# Altium PCB PCB1.PcbDoc (part 1 of 4)
Units mm, origin at the board's own origin, x right, y up, seen from the top; angles counter-clockwise.
Board outline 170.5 x 170.3 mm, 2 copper layers (Top Layer, Bottom Layer); 947 components, 657 nets, 3453 pads, 181 vias.
Unrouted connection lines stored in the file: 2490.
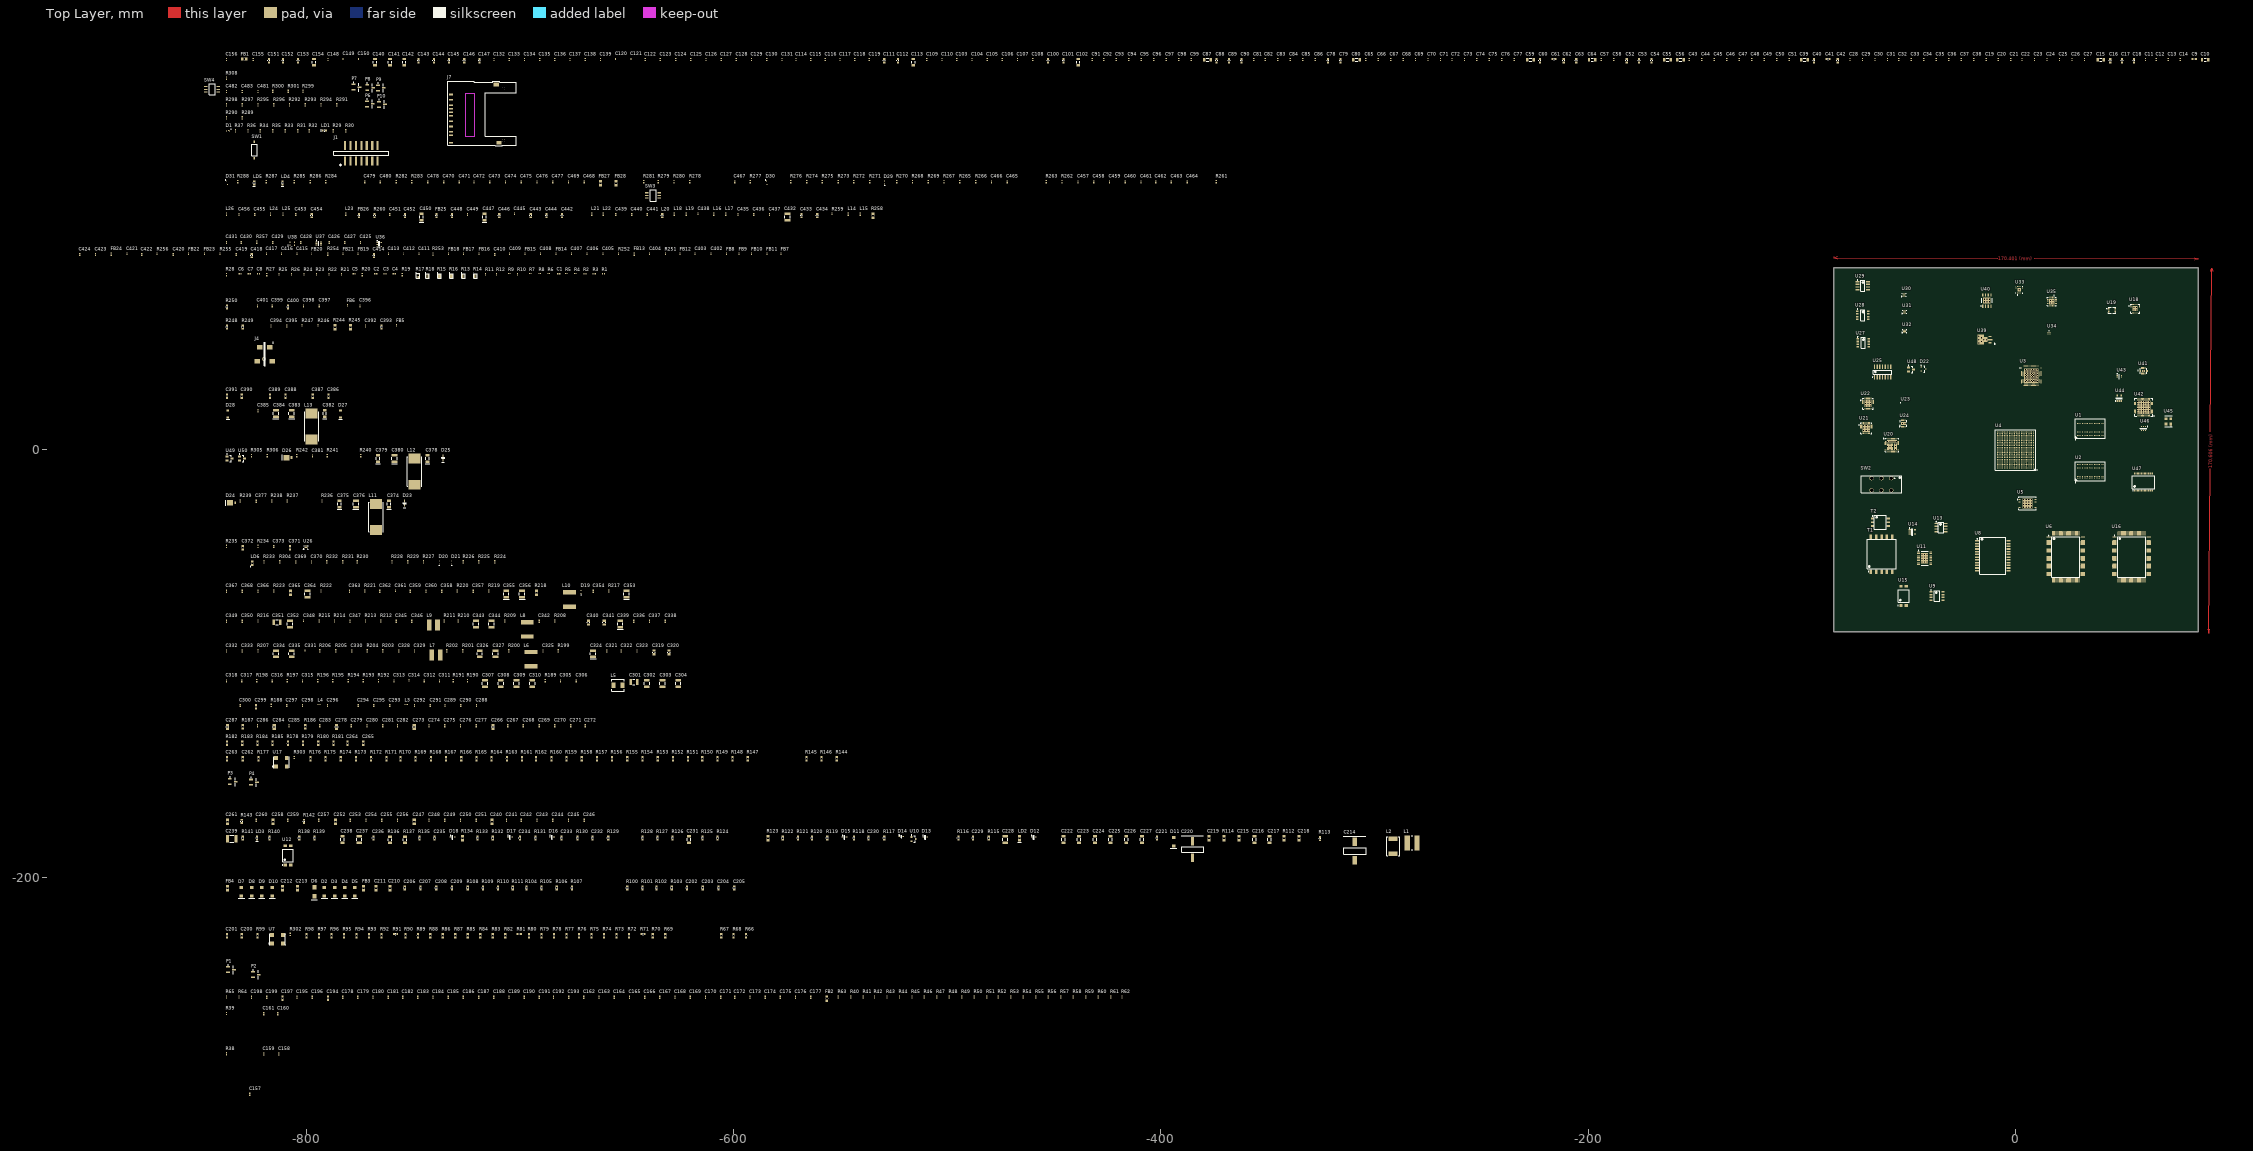
[diagram p0: Top Layer view]
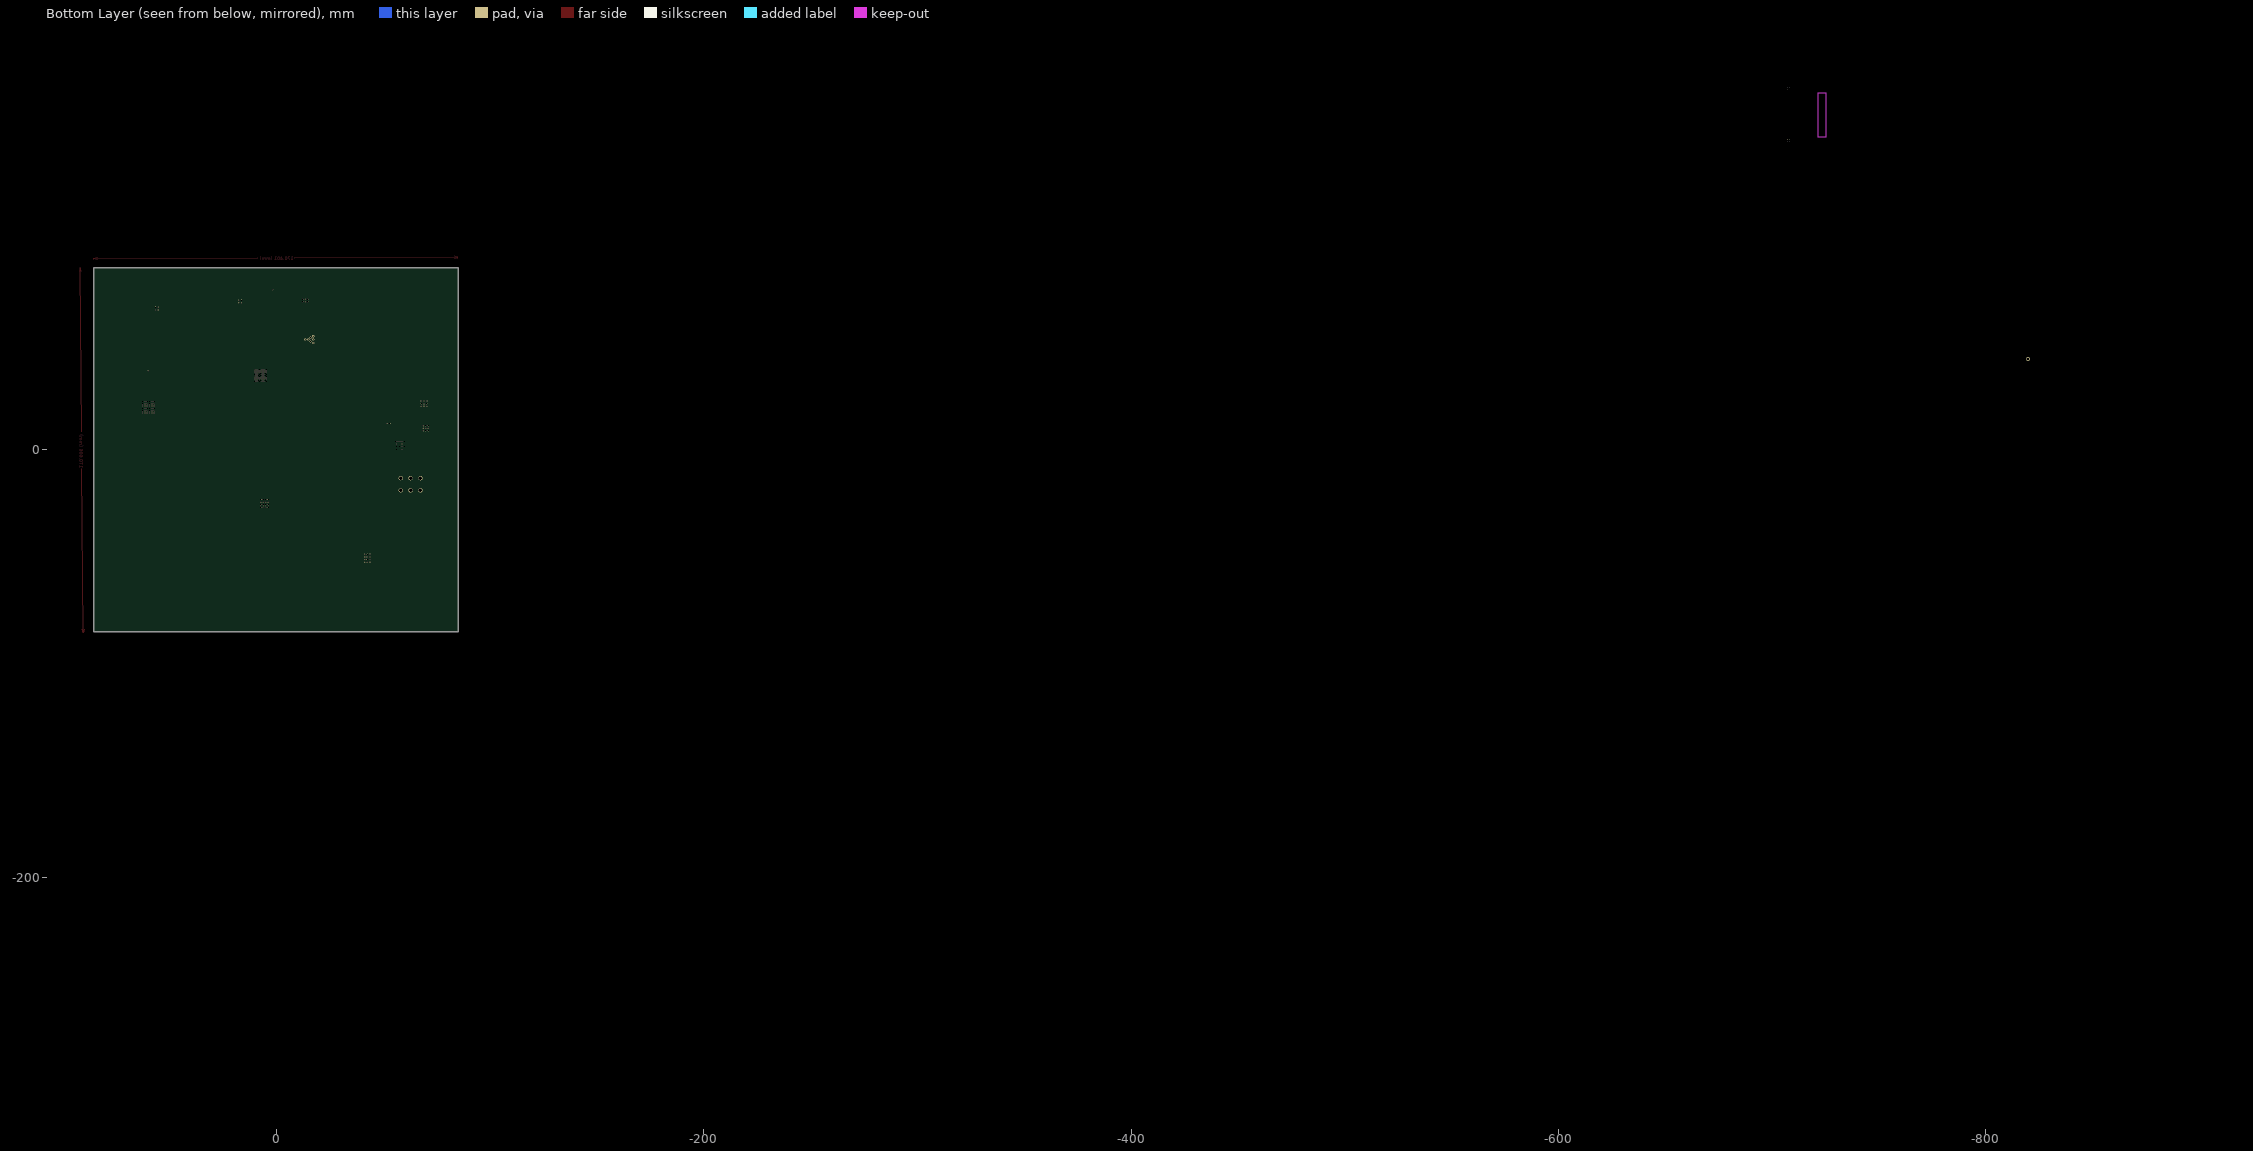
[diagram p1: Bottom Layer view, seen from below]

## Layer stack, top to bottom
Top Layer: signal copper 0.0356
Dielectric: dielectric 0.32, FR-4, Dk 4.8
Bottom Layer: signal copper 0.0356

## Board outline
-84.95,85.325 -84.95,-84.975 85.55,-84.975 85.55,85.225 -84.65,85.225

## Design rules (kind name [scope] priority, off if disabled: settings)
Clearance General_Clearance [All] p1: gap=0.15
DiffPairsRouting [All] p1: maxlimit=0.254 minlimit=0.254 mostfreqgap=0.254 maxuncoupledlength=12.7
HoleSize [All] p1: absolutevalues=TRUE maxlimit=2.54 minlimit=0.25 maxpercent=80.000 minpercent=20.000
HoleToHoleClearance [All] p1: gap=0.3 allowstackedmicrovias=TRUE
MinimumSolderMaskSliver [All] p1: minsoldermaskwidth=0
PolygonConnect [All] p1: connectstyle=Relief reliefconductorwidth=0.254 reliefentries=4 polygonreliefangle="90 Angle" airgapwidth=0.254
RoomDefinition ZYNQ_Power [InComponentClass('ZYNQ_Power')] p1: confinementstyle=ConfineIn formatcopy=TRUE lockcomponents=FALSE outline -838.007,178.94 91.379,178.94 91.379,186.56 -838.007,186.56
RoomDefinition ZYNQ_PL_Bank_35 [InComponentClass('ZYNQ_PL_Bank_35')] p2: confinementstyle=ConfineIn formatcopy=TRUE lockcomponents=FALSE outline -838.007,172.844 -831.53,172.844 -831.53,177.67 -838.007,177.67
RoomDefinition ZYNQ_MIOBank_501 [InComponentClass('ZYNQ_MIOBank_501')] p3: confinementstyle=ConfineIn formatcopy=TRUE lockcomponents=FALSE outline -851.05,165.625 -795.716,165.625 -795.716,172.6 -851.05,172.6
RoomDefinition ZYNQ_MIOBank_500 [InComponentClass('ZYNQ_MIOBank_500')] p4: confinementstyle=ConfineIn formatcopy=TRUE lockcomponents=FALSE outline -838.007,160.398 -780.476,160.398 -780.476,165.224 -838.007,165.224
RoomDefinition ZYNQ_DDR3_Bank_502 [InComponentClass('ZYNQ_DDR3_Bank_502')] p5: confinementstyle=ConfineIn formatcopy=TRUE lockcomponents=FALSE outline -838.007,154.302 -824.164,154.302 -824.164,159.128 -838.007,159.128
RoomDefinition ZYNQ_CONFIG [InComponentClass('ZYNQ_CONFIG')] p6: confinementstyle=ConfineIn formatcopy=TRUE lockcomponents=FALSE outline -838.007,130.426 -755.711,130.426 -755.711,153.032 -838.007,153.032
RoomDefinition USBPROG_USBUART [InComponentClass('USBPROG_USBUART')] p7: confinementstyle=ConfineIn formatcopy=TRUE lockcomponents=FALSE outline -838.007,115.313 -368.869,115.313 -368.869,129.283 -838.007,129.283
RoomDefinition RF_Transmit [InComponentClass('RF_Transmit')] p8: confinementstyle=ConfineIn formatcopy=TRUE lockcomponents=FALSE outline -838.007,102.359 -529.397,102.359 -529.397,114.043 -838.007,114.043
RoomDefinition RF_Transceiver_LMS6002_PLL_CLK [InComponentClass('RF_Transceiver_LMS6002_PLL_CLK')] p9: confinementstyle=ConfineIn formatcopy=TRUE lockcomponents=FALSE outline -838.007,94.104 -762.823,94.104 -762.823,100.962 -838.007,100.962
RoomDefinition RF_Transceiver_LM6002D_Power [InComponentClass('RF_Transceiver_LM6002D_Power')] p10: confinementstyle=ConfineIn formatcopy=TRUE lockcomponents=FALSE outline -906.698,89.225 -573.45,89.225 -573.45,95.321 -906.698,95.321
RoomDefinition RF_Transceiver_LM6002D [InComponentClass('RF_Transceiver_LM6002D')] p11: confinementstyle=ConfineIn formatcopy=TRUE lockcomponents=FALSE outline -838.007,72.514 -646.999,72.514 -646.999,85.722 -838.007,85.722
RoomDefinition RF_Receive [InComponentClass('RF_Receive')] p12: confinementstyle=ConfineIn formatcopy=TRUE lockcomponents=FALSE outline -838.007,63.116 -769.046,63.116 -769.046,71.244 -838.007,71.244
RoomDefinition RF_Antenna_Switch [InComponentClass('RF_Antenna_Switch')] p13: confinementstyle=ConfineIn formatcopy=TRUE lockcomponents=FALSE outline -838.007,54.734 -753.298,54.734 -753.298,61.846 -838.007,61.846
RoomDefinition PowerSwitch [InComponentClass('PowerSwitch')] p14: confinementstyle=ConfineIn formatcopy=TRUE lockcomponents=FALSE outline -838.007,30.731 -814.258,30.731 -814.258,53.337 -838.007,53.337
RoomDefinition Power_Regulators_RF_4 [InComponentClass('Power_Regulators_RF_4')] p15: confinementstyle=ConfineIn formatcopy=TRUE lockcomponents=FALSE outline -838.007,23.365 -778.19,23.365 -778.19,29.461 -838.007,29.461
RoomDefinition Power_Regulators_RF_3 [InComponentClass('Power_Regulators_RF_3')] p16: confinementstyle=ConfineIn formatcopy=TRUE lockcomponents=FALSE outline -838.007,2.41 -780.349,2.41 -780.349,22.222 -838.007,22.222
RoomDefinition Power_Regulators_RF_2 [InComponentClass('Power_Regulators_RF_2')] p17: confinementstyle=ConfineIn formatcopy=TRUE lockcomponents=FALSE outline -838.007,-18.799 -732.089,-18.799 -732.089,1.013 -838.007,1.013
RoomDefinition Power_Regulators_RF_1 [InComponentClass('Power_Regulators_RF_1')] p18: confinementstyle=ConfineIn formatcopy=TRUE lockcomponents=FALSE outline -838.007,-40.008 -750.123,-40.008 -750.123,-20.196 -838.007,-20.196
RoomDefinition Power_Regulators_Ether2V5 [InComponentClass('Power_Regulators_Ether2V5')] p19: confinementstyle=ConfineIn formatcopy=TRUE lockcomponents=FALSE outline -838.007,-47.501 -796.732,-47.501 -796.732,-41.405 -838.007,-41.405
RoomDefinition Power_Regulators_Digital_5 [InComponentClass('Power_Regulators_Digital_5')] p20: confinementstyle=ConfineIn formatcopy=TRUE lockcomponents=FALSE outline -838.007,-61.09 -706.054,-61.09 -706.054,-48.644 -838.007,-48.644
RoomDefinition Power_Regulators_Digital_4 [InComponentClass('Power_Regulators_Digital_4')] p21: confinementstyle=ConfineIn formatcopy=TRUE lockcomponents=FALSE outline -838.007,-75.06 -645.348,-75.06 -645.348,-62.36 -838.007,-62.36
RoomDefinition Power_Regulators_Digital_3 [InComponentClass('Power_Regulators_Digital_3')] p22: confinementstyle=ConfineIn formatcopy=TRUE lockcomponents=FALSE outline -838.007,-89.03 -626.171,-89.03 -626.171,-76.33 -838.007,-76.33
RoomDefinition Power_Regulators_Digital_2 [InComponentClass('Power_Regulators_Digital_2')] p23: confinementstyle=ConfineIn formatcopy=TRUE lockcomponents=FALSE outline -838.007,-103 -624.901,-103 -624.901,-90.3 -838.007,-90.3
RoomDefinition Power_Regulators_Digital_1 [InComponentClass('Power_Regulators_Digital_1')] p24: confinementstyle=ConfineIn formatcopy=TRUE lockcomponents=FALSE outline -838.007,-114.43 -621.091,-114.43 -621.091,-104.27 -838.007,-104.27
RoomDefinition GPS_Receiver [InComponentClass('GPS_Receiver')] p25: confinementstyle=ConfineIn formatcopy=TRUE lockcomponents=FALSE outline -838.007,-123.955 -714.563,-123.955 -714.563,-115.827 -838.007,-115.827
RoomDefinition Ethernet2_Power [InComponentClass('Ethernet2_Power')] p26: confinementstyle=ConfineIn formatcopy=TRUE lockcomponents=FALSE outline -838.007,-131.575 -663.636,-131.575 -663.636,-125.225 -838.007,-125.225
RoomDefinition Ethernet2_MDIO [InComponentClass('Ethernet2_MDIO')] p27: confinementstyle=ConfineIn formatcopy=TRUE lockcomponents=FALSE outline -838.007,-139.068 -767.776,-139.068 -767.776,-132.972 -838.007,-132.972
RoomDefinition Ethernet2 [InComponentClass('Ethernet2')] p28: confinementstyle=ConfineIn formatcopy=TRUE lockcomponents=FALSE outline -838.007,-168.405 -546.415,-168.405 -546.415,-140.211 -838.007,-140.211
RoomDefinition Ethernet1_Power [InComponentClass('Ethernet1_Power')] p29: confinementstyle=ConfineIn formatcopy=TRUE lockcomponents=FALSE outline -838.007,-175.898 -664.144,-175.898 -664.144,-169.548 -838.007,-169.548
RoomDefinition Ethernet1_PoE [InComponentClass('Ethernet1_PoE')] p30: confinementstyle=ConfineIn formatcopy=TRUE lockcomponents=FALSE outline -838.007,-199.393 -278.064,-199.393 -278.064,-177.295 -838.007,-177.295
RoomDefinition Ethernet1_MDIO [InComponentClass('Ethernet1_MDIO')] p31: confinementstyle=ConfineIn formatcopy=TRUE lockcomponents=FALSE outline -838.007,-221.745 -594.167,-221.745 -594.167,-200.663 -838.007,-200.663
RoomDefinition Ethernet1 [InComponentClass('Ethernet1')] p32: confinementstyle=ConfineIn formatcopy=TRUE lockcomponents=FALSE outline -838.007,-251.209 -590.103,-251.209 -590.103,-223.015 -838.007,-223.015
RoomDefinition DDR3_Power_Termination [InComponentClass('DDR3_Power_Termination')] p33: confinementstyle=ConfineIn formatcopy=TRUE lockcomponents=FALSE outline -838.007,-258.702 -413.954,-258.702 -413.954,-252.352 -838.007,-252.352
RoomDefinition DDR3_2 [InComponentClass('DDR3_2')] p34: confinementstyle=ConfineIn formatcopy=TRUE lockcomponents=FALSE outline -838.007,-277.625 -807.781,-277.625 -807.781,-260.099 -838.007,-260.099
RoomDefinition DDR3_1 [InComponentClass('DDR3_1')] p35: confinementstyle=ConfineIn formatcopy=TRUE lockcomponents=FALSE outline -838.007,-296.421 -807.273,-296.421 -807.273,-278.895 -838.007,-278.895
RoomDefinition BootFlash_SPI [InComponentClass('BootFlash_SPI')] p36: confinementstyle=ConfineIn formatcopy=TRUE lockcomponents=FALSE outline -838.007,-307.851 -820.862,-307.851 -820.862,-297.691 -838.007,-297.691
RoutingVias [All] p1: holewidth=0.711 width=1.27 viastyle="Through Hole" minholewidth=0.25 minwidth=0.55 maxholewidth=1.5 maxwidth=2
SilkToSilkClearance [All] p1: silktosilkclearance=0.1
SilkscreenOverComponentPads [All] p1: minsilkscreentomaskgap=0.1
SolderMaskExpansion [All] p1: expansion=0.102
Width [All] p1: maxlimit=10 minlimit=0.125 preferedwidth=0.254
22 further rules are at their usual default settings.

## Classes and differential pairs
component class BootFlash_SPI: C157 U5
component class DDR3_1: C158 C159 R38 U2
component class DDR3_2: C160 C161 R39 U1
component class DDR3_Power_Termination: C162 C163 C164 C165 C166 C167 C168 C169 C170 C171 C172 C173 C174 C175 C176 C177 C178 C179 C180 C181 C182 C183 C184 C185 C186 C187 C188 C189 C190 C191 C192 C193 C194 C195 C196 C197 C198 C199 FB2 R40 R41 R42 R43 R44 R45 R46 R47 R48 R49 R50 R51 R52 R53 R54 R55 R56 R57 R58 R59 R60 R61 R62 R63 R64 R65
component class Ethernet1_MDIO: C202 C203 C204 C205 C206 C207 C208 C209 C210 C211 C212 C213 D2 D3 D4 D5 D6 D7 D8 D9 D10 FB3 FB4 J2 R100 R101 R102 R103 R104 R105 R106 R107 R108 R109 R110 R111 U8
component class Ethernet1_PoE: C214 C215 C216 C217 C218 C219 C220 C221 C222 C223 C224 C225 C226 C227 C228 C229 C230 C231 C232 C233 C234 C235 C236 C237 C238 C239 D11 D12 D13 D14 D15 D16 D17 D18 L1 L2 LD2 LD3 R112 R113 R114 R115 R116 R117 R118 R119 R120 R121 R122 R123 R124 R125 R126 R127 R128 R129 R130 R131 R132 R133 R134 R135 R136 R137 R138 R139 R140 R141 T1 T2 U9 U10 U11 U12 U13 U14 U15
component class Ethernet1_Power: C240 C241 C242 C243 C244 C245 C246 C247 C248 C249 C250 C251 C252 C253 C254 C255 C256 C257 C258 C259 C260 C261 R142 R143
component class Ethernet1: C200 C201 P1 P2 R66 R67 R68 R69 R70 R71 R72 R73 R74 R75 R76 R77 R78 R79 R80 R81 R82 R83 R84 R85 R86 R87 R88 R89 R90 R91 R92 R93 R94 R95 R96 R97 R98 R99 R302 U6 U7
component class Ethernet2_MDIO: C264 C265 J3 R178 R179 R180 R181 R182 R183 R184 R185
component class Ethernet2_Power: C266 C267 C268 C269 C270 C271 C272 C273 C274 C275 C276 C277 C278 C279 C280 C281 C282 C283 C284 C285 C286 C287 R186 R187
component class Ethernet2: C262 C263 P3 P4 R144 R145 R146 R147 R148 R149 R150 R151 R152 R153 R154 R155 R156 R157 R158 R159 R160 R161 R162 R163 R164 R165 R166 R167 R168 R169 R170 R171 R172 R173 R174 R175 R176 R177 R303 U16 U17
component class GPS_Receiver: C288 C289 C290 C291 C292 C293 C294 C295 C296 C297 C298 C299 C300 L3 L4 R188 U18 U19
component class Power_Regulators_Digital_1: C301 C302 C303 C304 C305 C306 C307 C308 C309 C310 C311 C312 C313 C314 C315 C316 C317 C318 L5 R189 R190 R191 R192 R193 R194 R195 R196 R197 R198 U20
component class Power_Regulators_Digital_2: C319 C320 C321 C322 C323 C324 C325 C326 C327 C328 C329 C330 C331 C332 C333 C334 C335 L6 L7 R199 R200 R201 R202 R203 R204 R205 R206 R207 U21
component class Power_Regulators_Digital_3: C336 C337 C338 C339 C340 C341 C342 C343 C344 C345 C346 C347 C348 C349 C350 C351 C352 L8 L9 R208 R209 R210 R211 R212 R213 R214 R215 R216 U22
component class Power_Regulators_Digital_4: C353 C354 C355 C356 C357 C358 C359 C360 C361 C362 C363 C364 C365 C366 C367 C368 D19 L10 R217 R218 R219 R220 R221 R222 R223 U23 U24
component class Power_Regulators_Digital_5: C369 C370 D20 D21 D22 LD6 R224 R225 R226 R227 R228 R229 R230 R231 R232 R233 R304 U25 U48
component class Power_Regulators_Ether2V5: C371 C372 C373 R234 R235 U26
component class Power_Regulators_RF_1: C374 C375 C376 C377 D23 D24 L11 R236 R237 R238 R239 U27
component class Power_Regulators_RF_2: C378 C379 C380 C381 D25 D26 L12 R240 R241 R242 R305 R306 U28 U49 U50
component class Power_Regulators_RF_3: C382 C383 C384 C385 D27 D28 L13 U29
component class Power_Regulators_RF_4: C386 C387 C388 C389 C390 C391 U30 U31 U32
component class PowerSwitch: J4 SW2
component class RF_Antenna_Switch: C392 C393 C394 C395 FB5 R244 R245 R246 R247 R248 R249 U33
component class RF_Receive: C396 C397 C398 C399 C400 C401 FB6 R250 U34 U35
component class RF_Transceiver_LM6002D_Power: C402 C403 C404 C405 C406 C407 C408 C409 C410 C411 C412 C413 C414 C415 C416 C417 C418 C419 C420 C421 C422 C423 C424 FB7 FB8 FB9 FB10 FB11 FB12 FB13 FB14 FB15 FB16 FB17 FB18 FB19 FB20 FB21 FB22 FB23 FB24 R251 R252 R253 R254 R255 R256
component class RF_Transceiver_LM6002D: C1 C2 C3 C4 C5 C6 C7 C8 R1 R2 R3 R4 R5 R6 R7 R8 R9 R10 R11 R12 R13 R14 R15 R16 R17 R18 R19 R20 R21 R22 R23 R24 R25 R26 R27 R28 U3
component class RF_Transceiver_LMS6002_PLL_CLK: C425 C426 C427 C428 C429 C430 C431 R257 U36 U37 U38
component class RF_Transmit: C432 C433 C434 C435 C436 C437 C438 C439 C440 C441 C442 C443 C444 C445 C446 C447 C448 C449 C450 C451 C452 C453 C454 C455 C456 FB25 FB26 L14 L15 L16 L17 L18 L19 L20 L21 L22 L23 L24 L25 L26 R258 R259 R260 U39 U40
component class USBPROG_USBUART: C457 C458 C459 C460 C461 C462 C463 C464 C465 C466 C467 C468 C469 C470 C471 C472 C473 C474 C475 C476 C477 C478 C479 C480 D29 D30 D31 FB27 FB28 J5 J6 LD4 LD5 P5 R261 R262 R263 R265 R266 R267 R268 R269 R270 R271 R272 R273 R274 R275 R276 R277 R278 R279 R280 R281 R282 R283 R284 R285 R286 R287 R288 SW3 U41 U42 U43 U44 U45 U46 U47
component class ZYNQ_CONFIG: D1 J1 LD1 R29 R30 R31 R32 R33 R34 R35 R36 R37 SW1 U4
component class ZYNQ_DDR3_Bank_502: R289 R290
component class ZYNQ_MIOBank_500: P6 P7 P8 P9 P10 R291 R292 R293 R294 R295 R296 R297 R298
component class ZYNQ_MIOBank_501: C481 C482 C483 J7 R299 R300 R301 SW3 SW4
component class ZYNQ_PL_Bank_35: R308
component class ZYNQ_Power: C9 C10 C11 C12 C13 C14 C15 C16 C17 C18 C19 C20 C21 C22 C23 C24 C25 C26 C27 C28 C29 C30 C31 C32 C33 C34 C35 C36 C37 C38 C39 C40 C41 C42 C43 C44 C45 C46 C47 C48 C49 C50 C51 C52 C53 C54 C55 C56 C57 C58 C59 C60 C61 C62 C63 C64 C65 C66 C67 C68 C69 C70 C71 C72 C73 C74 C75 C76 C77 C78 C79 C80 C81 C82 C83 C84 C85 C86 C87 C88 C89 C90 C91 C92 C93 C94 C95 C96 C97 C98 C99 C100 C101 C102 C103 C104 C105 C106 C107 C108 C109 C110 C111 C112 C113 C114 C115 C116 C117 C118 C119 C120 C121 C122 C123 C124 C125 C126 C127 C128 C129 C130 C131 C132 C133 C134 C135 C136 C137 C138 C139 C140 C141 C142 C143 C144 C145 C146 C147 C148 C149 C150 C151 C152 C153 C154 C155 C156 FB1
net class DDR3_A[0..14]: DDR3_A0 DDR3_A1 DDR3_A2 DDR3_A3 DDR3_A4 DDR3_A5 DDR3_A6 DDR3_A7 DDR3_A8 DDR3_A9 DDR3_A10 DDR3_A11 DDR3_A12 DDR3_A13 DDR3_A14
net class DDR3_BA[0..2]: DDR3_BA0 DDR3_BA1 DDR3_BA2
differential pair DDR3_CLK0: +DDR3_CLK0_P -DDR3_CLK0_N
differential pair DDR3_DQS0: +DDR3_DQS0_P -DDR3_DQS0_N
differential pair DDR3_DQS1: +DDR3_DQS1_P -DDR3_DQS1_N
differential pair DDR3_DQS2: +DDR3_DQS2_P -DDR3_DQS2_N
differential pair DDR3_DQS3: +DDR3_DQS3_P -DDR3_DQS3_N
differential pair RXIN1: +RXIN1_P -RXIN1_N
differential pair RXIN2: +RXIN2_P -RXIN2_N
differential pair RXIN3: +RXIN3_P -RXIN3_N
differential pair TXOUT1: +TXOUT1_P -TXOUT1_N
differential pair TXOUT2: +TXOUT2_P -TXOUT2_N
differential pair USB_JTAG_D: +USB_JTAG_D_P -USB_JTAG_D_N
differential pair USB_UART_D: +USB_UART_D_P -USB_UART_D_N

## Components (designator, comment, footprint, x,y, rotation, side; value= is the part's Value field where it differs from the comment)
C1 "CAP_0402" CAPC0402(1005)60_N -681.797,82.42 r0 top
C2 "CAP_0402" CAPC0402(1005)60_N -767.395,82.42 r0 top
C3 "CAP_0402" CAPC0402(1005)60_N -763.077,82.42 r0 top
C4 "CAP_0402" CAPC0402(1005)60_N -758.759,82.42 r0 top
C5 "CAP_0402" CAPC0402(1005)60_N -777.555,82.42 r0 top
C6 "CAP_0402" CAPC0402(1005)60_N -830.895,82.42 r0 top
C7 "CAP_0402" CAPC0402(1005)60_N -826.577,82.42 r0 top
C8 "CAP_0402" CAPC0402(1005)60_N -822.259,82.42 r0 top
C9 "CAP_0603" CAPC0603(1608)100_N 83.759,183.004 r0 top
C10 "CAP_1206" CAPC1206(3216)100_N 88.839,182.623 r0 top
C11 "CAP_0402" CAPC0402(1005)60_N 60.899,182.75 r90 top
C12 "CAP_0402" CAPC0402(1005)60_N 65.979,182.75 r90 top
C13 "CAP_0402" CAPC0402(1005)60_N 71.567,182.75 r90 top
C14 "CAP_0402" CAPC0402(1005)60_N 77.155,182.75 r90 top
C15 "CAP_1206" CAPC1206(3216)100_N 39.944,182.623 r0 top
C16 "CAP_0603" CAPC0603(1608)100_N 44.389,182.242 r90 top
C17 "CAP_0603" CAPC0603(1608)100_N 49.977,182.242 r90 top
C18 "CAP_0603" CAPC0603(1608)100_N 55.565,182.242 r90 top
C19 "CAP_0402" CAPC0402(1005)60_N -13.65,182.75 r90 top
C20 "CAP_0402" CAPC0402(1005)60_N -8.062,182.75 r90 top
C21 "CAP_0402" CAPC0402(1005)60_N -2.22,182.75 r90 top
C22 "CAP_0402" CAPC0402(1005)60_N 3.114,182.75 r90 top
C23 "CAP_0402" CAPC0402(1005)60_N 8.956,182.75 r90 top
C24 "CAP_0402" CAPC0402(1005)60_N 14.798,182.75 r90 top
C25 "CAP_0402" CAPC0402(1005)60_N 20.64,182.75 r90 top
C26 "CAP_0402" CAPC0402(1005)60_N 26.482,182.75 r90 top
C27 "CAP_0402" CAPC0402(1005)60_N 32.324,182.75 r90 top
C28 "CAP_0402" CAPC0402(1005)60_N -77.404,182.75 r90 top
C29 "CAP_0402" CAPC0402(1005)60_N -71.562,182.75 r90 top
C30 "CAP_0402" CAPC0402(1005)60_N -65.72,182.75 r90 top
C31 "CAP_0402" CAPC0402(1005)60_N -59.878,182.75 r90 top
C32 "CAP_0402" CAPC0402(1005)60_N -54.544,182.75 r90 top
C33 "CAP_0402" CAPC0402(1005)60_N -48.702,182.75 r90 top
C34 "CAP_0402" CAPC0402(1005)60_N -42.86,182.75 r90 top
C35 "CAP_0402" CAPC0402(1005)60_N -37.018,182.75 r90 top
C36 "CAP_0402" CAPC0402(1005)60_N -31.176,182.75 r90 top
C37 "CAP_0402" CAPC0402(1005)60_N -25.334,182.75 r90 top
C38 "CAP_0402" CAPC0402(1005)60_N -19.492,182.75 r90 top
C39 "CAP_1206" CAPC1206(3216)100_N -98.74,182.623 r0 top
C40 "CAP_0603" CAPC0603(1608)100_N -94.295,182.242 r90 top
C41 "CAP_0603" CAPC0603(1608)100_N -87.691,183.004 r0 top
C42 "CAP_0603" CAPC0603(1608)100_N -83.119,182.242 r90 top
C43 "CAP_0402" CAPC0402(1005)60_N -152.588,182.75 r90 top
C44 "CAP_0402" CAPC0402(1005)60_N -146.746,182.75 r90 top
C45 "CAP_0402" CAPC0402(1005)60_N -140.904,182.75 r90 top
C46 "CAP_0402" CAPC0402(1005)60_N -135.062,182.75 r90 top
C47 "CAP_0402" CAPC0402(1005)60_N -129.22,182.75 r90 top
C48 "CAP_0402" CAPC0402(1005)60_N -123.378,182.75 r90 top
C49 "CAP_0402" CAPC0402(1005)60_N -117.536,182.75 r90 top
C50 "CAP_0402" CAPC0402(1005)60_N -111.694,182.75 r90 top
C51 "CAP_0402" CAPC0402(1005)60_N -105.852,182.75 r90 top
C52 "CAP_0603" CAPC0603(1608)100_N -181.925,182.242 r90 top
C53 "CAP_0603" CAPC0603(1608)100_N -176.083,182.242 r90 top
C54 "CAP_0603" CAPC0603(1608)100_N -170.241,182.242 r90 top